# Allegro board MCU.brd (continued)
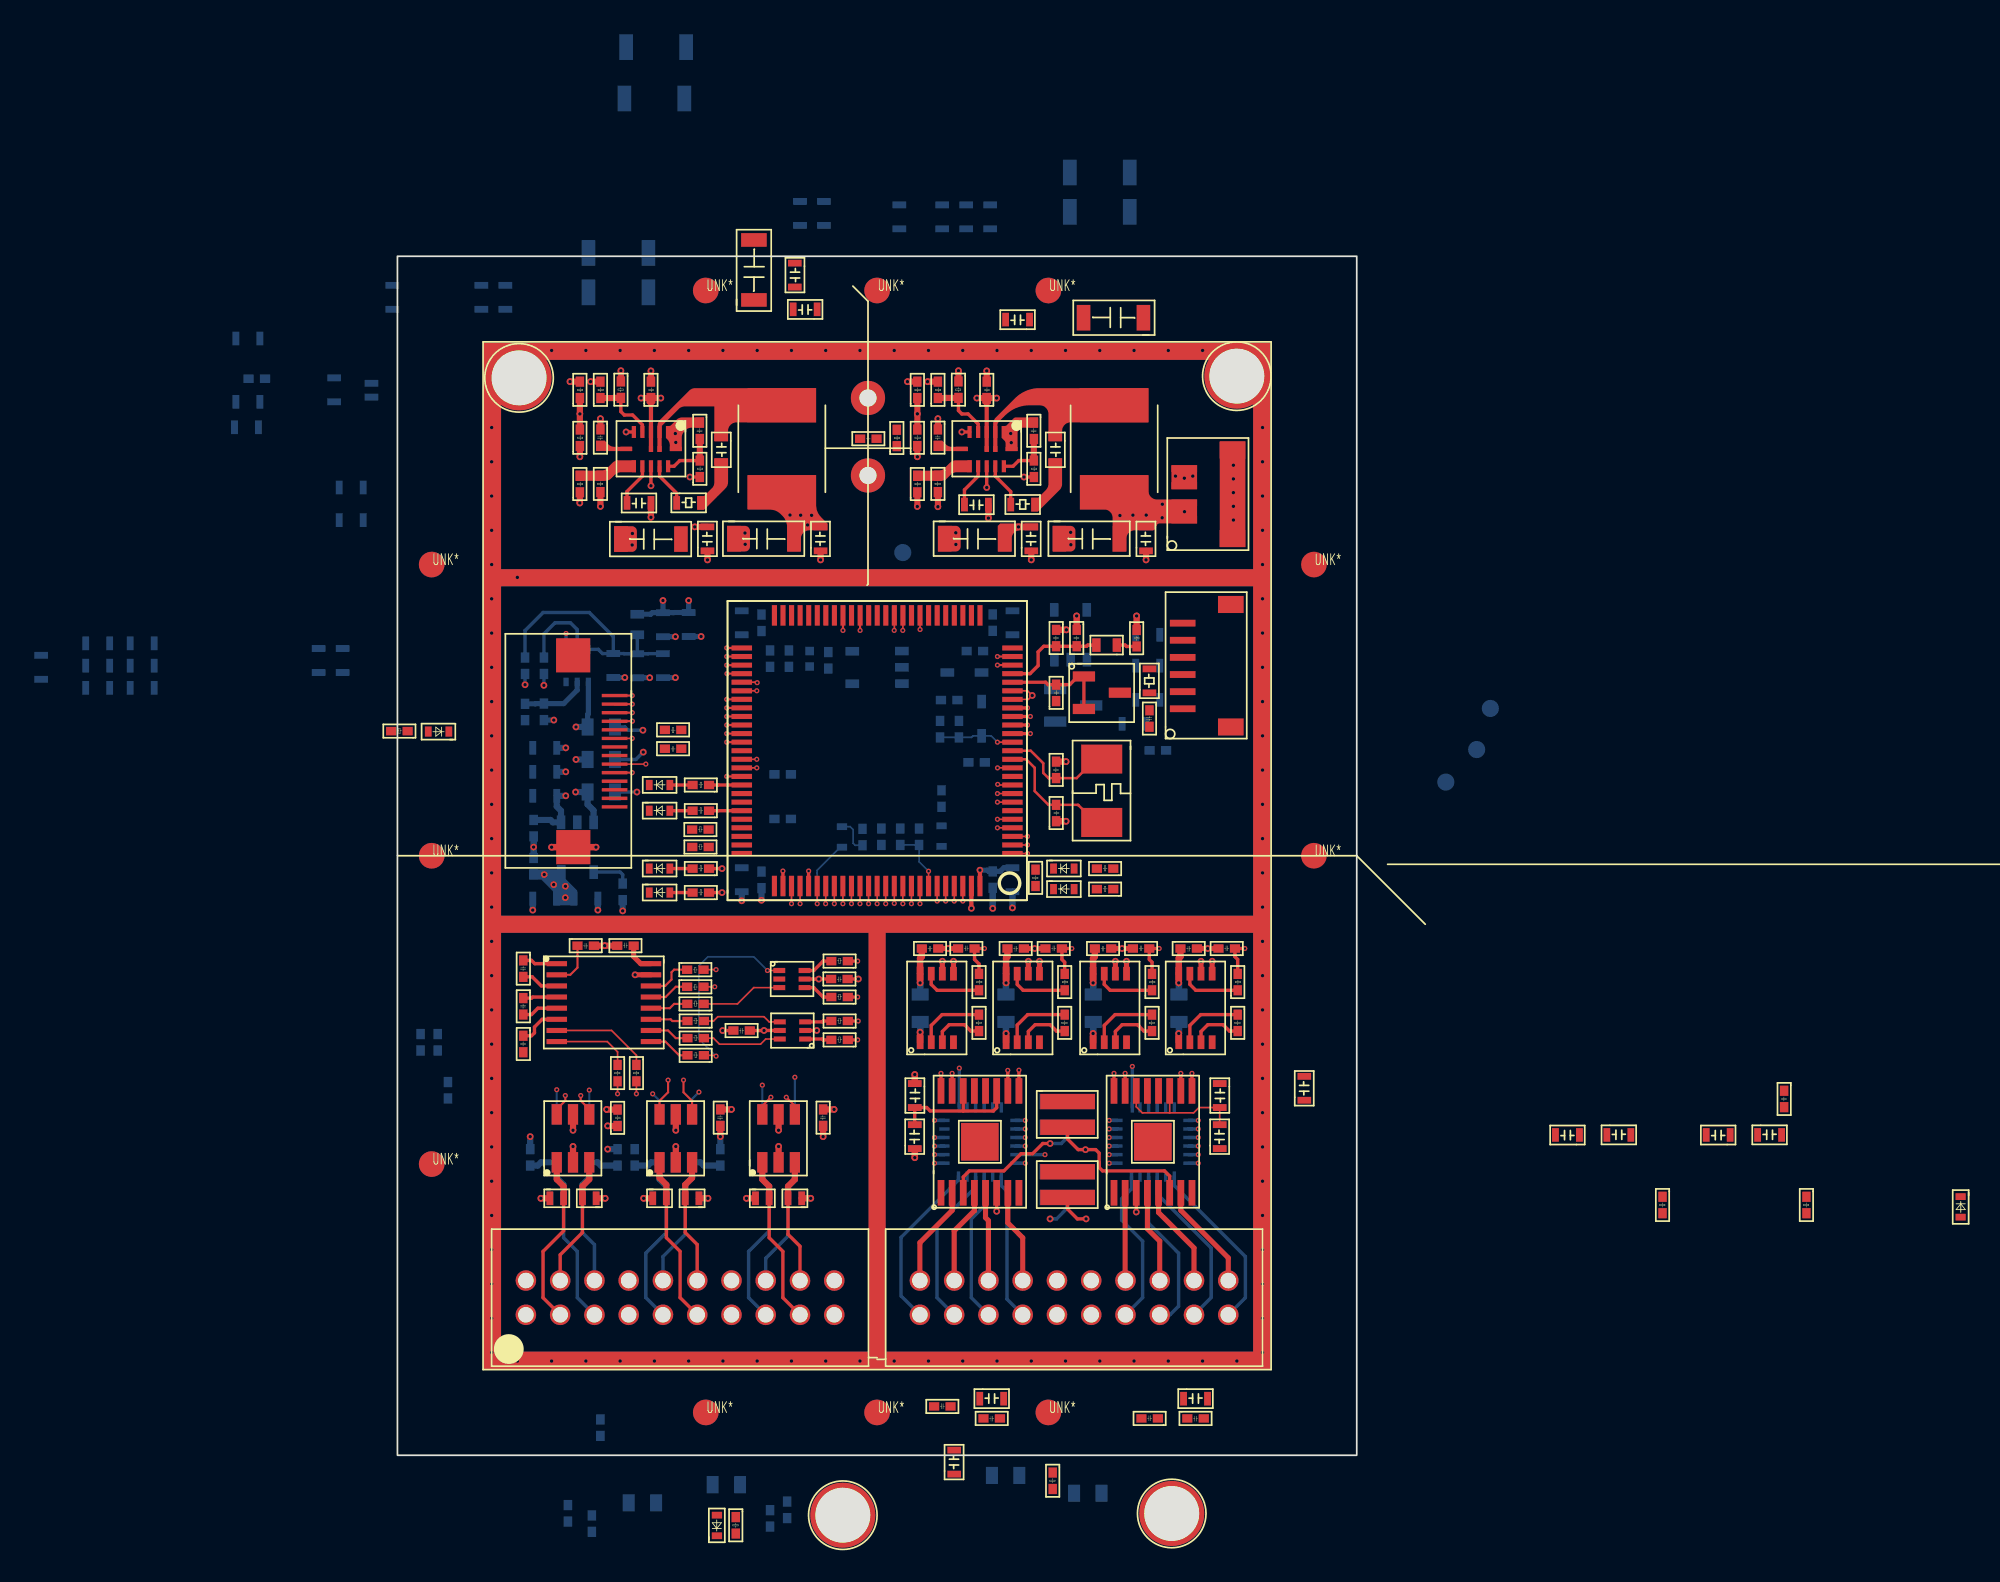
[diagram p0: board, top side]
## Routing (per net, layer and track width the routed paths; a pad name or vN(x,y) marks a point on that pad's centre or on a via; arc(x,y) is an arc through that point) (continued)
OSCIN: length 7.5
  TOP w0.15: Y3.2 40.76,36.94 39.77,37.94 39.76,37.94 39.73,37.97 C527.2 38,37.97 37.2,38.78 37.2,40.13 36.7,40.63 U19.12
OSCOUT: length 6.7
  TOP w0.15: U19.13 36.97,41.13 37.7,40.4 37.7,39.84 38,39.53 C513.2 39.65,39.53 40.76,40.64 Y3.1
RXD1: length 26.3
  TOP w0.1: v1(18.52,27.35) R372.2
  SIGNAL-L3 w0.1: J22.4 12.5,9.2 12.5,11.2 13.9,12.6 17.5,12.6 19.2,14.3 19.2,17 20.1,17.9 20.1,26.11
  SIGNAL-L3 w0.127: v1(18.52,27.35) 18.86,27.35 20.1,26.11
RXD2: length 15.7
  TOP w0.1: R369.2 v1(12.85,21.1)
  SIGNAL-L3 w0.127: v1(12.85,21.1) 13.2,20.75 13.2,15.1 12.1,14 9.4,14 7.5,12.1 J22.20
SMTR1_ADEC: length 22.4
  TOP w0.1: v1(27,32.2) 27,32.2 U19.86
  SIGNAL-L3 w0.1: v1(36.65,19.55) 36.97,19.55 37.16,19.73 37.16,22.24 36.2,23.19 30.16,23.19 27.86,25.5 27.86,29.61 27,30.47 27,31.87 27,31.87 v1(27,32.2)
  BOTTOM w0.2: U48.19 v1(36.65,19.55)
SMTR1_DEC0: length 24.2
  TOP w0.1: U19.89 v1(28.5,32.2)
  SIGNAL-L3 w0.1: v1(28.5,32.2) 28.5,31.69 29.47,30.73 29.47,27.18 31.31,25.34 36.42,25.34 38.9,22.86 38.9,19.97 36.97,18.05 v1(36.65,18.05)
  BOTTOM w0.2: U48.22 v1(36.65,18.05)
SMTR1_DEC1: length 25.9
  TOP w0.1: v1(30.5,32.2) U19.93
  SIGNAL-L3 w0.1: v1(36.65,17.05) 38.6,17.05 40.04,18.5 40.04,24.11 37.73,26.42 33.26,26.42 31.16,28.52 31.16,30.97 30.5,31.63 v1(30.5,32.2)
  BOTTOM w0.2: U48.24 v1(36.65,17.05)
SMTR1_DIR: length 17.1
  TOP w0.1: v1(26.5,32.2) U19.85
  SIGNAL-L3 w0.1: v1(26.5,32.2) 26.5,30.2 27.5,29.21 27.5,25.23 29.9,22.83 32.57,22.83 v1(32.8,22.6)
  BOTTOM w0.2: U48.13 v1(32.8,22.6)
SMTR1_I0: length 22.9
  TOP w0.1: v1(27.5,32.2) U19.87
  SIGNAL-L3 w0.1: v1(36.65,19.05) 36.97,19.05 37.46,19.54 37.46,22.43 36.32,23.57 30.3,23.57 28.54,25.33 28.54,29.77 27.5,30.81 v1(27.5,32.2)
  BOTTOM w0.2: U48.20 v1(36.65,19.05)
SMTR1_I1: length 23.4
  TOP w0.1: v1(28,32.2) 28,32.2 U19.88
  SIGNAL-L3 w0.1: v1(36.65,18.55) 36.97,18.55 38.48,20.06 38.48,22.43 36.66,24.25 35.74,24.25 35.7,24.21 35.36,24.21 35.32,24.25 31.83,24.25 29.03,27.06 29.03,30.35 28,31.37 28,31.87 28,31.87 v1(28,32.2)
  BOTTOM w0.2: U48.21 v1(36.65,18.55)
SMTR1_M0: length 20.8
  TOP w0.1: v1(25,32.2) 25,32.35 25,32.36 U19.82
  SIGNAL-L3 w0.1: v1(31.35,17.55) 30.68,16.88 29.69,16.88 29.22,17.35 29.22,18.2 25.45,21.97 25.45,29.19 25,29.65 v1(25,32.2)
  BOTTOM w0.2: U48.8 v1(31.35,17.55)
SMTR1_M1: length 18.9
  TOP w0.1: U19.83 v1(25.5,32.2)
  SIGNAL-L3 w0.1: v1(25.5,32.2) 25.5,29.81 25.83,29.49 25.83,22.35 30.12,18.05 v1(31.35,18.05)
  BOTTOM w0.2: U48.9 v1(31.35,18.05)
SMTR1_NFAULT: length 25.4
  TOP w0.1: v1(24.5,32.2) U19.81
  SIGNAL-L3 w0.1: v1(24.5,32.2) 24.5,29.38 25.07,28.8 25.07,21.64 28.85,17.87 28.85,17.14 29.49,16.5 30.8,16.5 v1(31.35,17.05)
  BOTTOM w0.1: D43.1 25.85,35.5 24.5,34.15 24.5,34 24.5,34 v1(24.5,32.2)
  BOTTOM w0.2: U48.7 v1(31.35,17.05)
SMTR1_NSLEEP: length 24.4
  TOP w0.1: v1(30,32.2) U19.92
  SIGNAL-L3 w0.1: v1(37.8,17.55) 38.4,17.55 39.35,18.5 39.35,23.22 36.69,25.89 33.13,25.89 30.74,28.27 30.74,30.62 30,31.36 v1(30,32.2)
  BOTTOM w0.2: U48.23 v1(37.8,17.55)
SMTR1_PWM: length 0.6
  BOTTOM w0.2: U48.12 v1(31.35,19.55)
SMTR1_TOFF_SEL: length 18.1
  TOP w0.1: v1(26,32.2) U19.84
  SIGNAL-L3 w0.1: v1(26,32.2) 26,29.94 26.24,29.7 26.24,22.62 30.3,18.55 v1(31.35,18.55)
  BOTTOM w0.2: U48.10 v1(31.35,18.55)
SMTR2_ADEC: length 30.8
  TOP w0.1: U19.7 v1(35.02,38.13)
  SIGNAL-L7 w0.1: v1(46.75,19.55) 47.19,19.99 47.19,22.32 45.85,23.66 43.59,23.66 40.99,26.25 39.88,26.25 38.46,27.67 38.46,29.88 37.73,30.61 35.88,30.61 35.34,31.14 35.34,32.45 34.83,32.96 34.04,32.96 33.1,33.91 33.1,36.85 34.38,38.13 v1(35.02,38.13)
  BOTTOM w0.2: U28.19 v1(46.75,19.55)
SMTR2_DEC0: length 27.7
  TOP w0.1: U19.1 v1(36.78,35.13)
  SIGNAL-L7 w0.1: v1(46.75,18.05) 47.64,18.05 48.66,19.07 48.66,26.13 46.11,28.68 46.11,30.87 43.32,33.66 38.61,33.66 37.14,35.13 v1(36.78,35.13)
  BOTTOM w0.2: U28.22 v1(46.75,18.05)
SMTR2_DEC1: length 33.1
  TOP w0.1: U19.3 v1(36.78,36.13)
  SIGNAL-L7 w0.1: v1(46.75,17.05) 48.47,17.05 49.84,18.42 49.84,27.25 48.96,28.13 48.96,32.26 46.53,34.69 38.94,34.69 37.51,36.13 v1(36.78,36.13)
  BOTTOM w0.2: U28.24 v1(46.75,17.05)
SMTR2_DIR: length 26.1
  TOP w0.1: v1(35.02,38.63) U19.8
  SIGNAL-L7 w0.1: v1(42.9,22.7) 41.99,23.61 40.42,23.61 36.12,27.91 36.12,28.94 34.17,30.89 34.17,32.09 32.43,33.84 32.43,37.06 34,38.63 v1(35.02,38.63)
  BOTTOM w0.2: U28.13 v1(42.9,22.7)
SMTR2_I0: length 30.5
  TOP w0.1: U19.5 v1(35.02,37.13)
  SIGNAL-L7 w0.1: v1(35.02,37.13) 34.7,37.13 34.06,36.49 34.06,35.11 36.85,32.31 42.17,32.31 43.46,31.03 43.46,25.39 44.58,24.27 45.33,24.27 45.44,24.16 45.78,24.16 45.89,24.27 46.18,24.27 47.62,22.83 47.62,19.56 47.11,19.05 v1(46.75,19.05)
  BOTTOM w0.2: U28.20 v1(46.75,19.05)
SMTR2_I1: length 29.7
  TOP w0.1: U19.4 v1(35.02,36.63)
  SIGNAL-L7 w0.1: v1(46.75,18.55) 47.4,18.55 48.12,19.28 48.12,25.83 45.2,28.75 45.2,30.84 42.88,33.17 36.86,33.17 34.71,35.32 34.71,36.31 v1(35.02,36.63)
  BOTTOM w0.2: U28.21 v1(46.75,18.55)
SMTR2_M0: length 24.6
  TOP w0.1: U19.96 v1(32,32.35)
  SIGNAL-L7 w0.1: v1(41.55,17.55) 41.17,17.55 40.69,17.07 39.78,17.07 39.28,17.58 39.28,21.91 37.31,23.88 34.22,23.88 32.41,25.69 32.41,27.26 30.9,28.77 30.9,30.76 32,31.86 v1(32,32.35)
  BOTTOM w0.2: U28.8 v1(41.55,17.55)
SMTR2_M1: length 20.7
  TOP w0.1: U19.97 v1(32.5,32.35)
  SIGNAL-L7 w0.1: v1(41.55,18.05) 40.86,18.05 40.03,18.88 40.03,22.14 36.09,26.09 34.65,26.09 33.17,27.57 33.17,30.17 32.5,30.83 v1(32.5,32.35)
  BOTTOM w0.2: U28.9 v1(41.55,18.05)
SMTR2_NFAULT: length 25.5
  TOP w0.1: v1(31.5,32.35) U19.95
  SIGNAL-L7 w0.1: v1(41.55,17.05) 41.15,16.65 39.37,16.65 38.82,17.2 38.82,21.41 36.88,23.35 33.65,23.35 31.72,25.27 31.72,27.23 30.38,28.56 30.38,30.9 31.5,32.02 v1(31.5,32.35)
  BOTTOM w0.2: U28.7 v1(41.55,17.05)
SMTR2_NSLEEP: length 30.2
  TOP w0.1: U19.2 v1(36.78,35.63)
  SIGNAL-L7 w0.1: v1(46.75,17.55) 48.01,17.55 49.24,18.79 49.24,27.02 48.32,27.95 48.32,30.51 44.73,34.1 38.89,34.1 37.36,35.63 v1(36.78,35.63)
  BOTTOM w0.2: U28.23 v1(46.75,17.55)
SMTR2_PWM: length 0.5
  BOTTOM w0.2: U28.12 v1(41.55,19.55)
SMTR2_TOFF_SEL: length 19.8
  TOP w0.1: U19.98 v1(33,32.35)
  SIGNAL-L7 w0.1: v1(41.55,18.55) 41.16,18.55 40.58,19.12 40.58,22.46 36.35,26.7 34.92,26.7 33.68,27.93 33.68,30.41 33,31.09 v1(33,32.35)
  BOTTOM w0.2: U28.10 v1(41.55,18.55)
STEP1A_DRV1: length 8.6
  BOTTOM w0.2: U48.1 35.25,15.74 35.58,15.41 35.58,9.12 J23.4
STEP1A_DRV2: length 8.8
  BOTTOM w0.2: U48.3 34.25,14.55 33.5,13.8 33.5,9.2 J23.3
STEP1B_DRV1: length 9.9
  BOTTOM w0.2: U48.6 32.75,16.07 29.4,12.72 29.4,9.3 J23.1
STEP1B_DRV2: length 9.4
  BOTTOM w0.2: U48.4 33.75,15.65 31.5,13.4 31.5,9.2 J23.2
STEP2A_DRV1: length 10.2
  BOTTOM w0.2: U28.1 45.35,15.75 49.5,11.6 49.5,9.2 J23.10
STEP2A_DRV2: length 9.8
  BOTTOM w0.2: J23.9 47.5,9.2 47.5,12.1 44.35,15.25 U28.3
STEP2B_DRV1: length 9.2
  BOTTOM w0.2: J23.7 43.5,9.2 43.5,12.5 42.27,13.73 42.27,14.97 42.85,15.55 U28.6
STEP2B_DRV2: length 9.6
  BOTTOM w0.2: J23.8 45.1,8.2 45.6,8.7 45.6,11.8 43.85,13.55 U28.4
TXD1: length 24.3
  TOP w0.1: R371.2 v1(18.6,28.35)
  SIGNAL-L3 w0.127: v1(18.6,28.35) 18.94,28.35 20.5,26.79 20.5,17.5 19.96,16.96 19.96,13.96 17.9,11.9 15.2,11.9 J22.17
TXD2: length 18.1
  TOP w0.1: R368.2 v1(13.95,21.1)
  SIGNAL-L3 w0.127: v1(13.95,21.1) 13.7,20.85 13.7,14.4 12.6,13.3 9.6,13.3 8.5,12.2 8.5,9.2 J22.1
VREF_2V5: length 6.3
  TOP w0.2: U19.21 37.84,45.13 37.98,44.99 C487.2 39.24,44.99 39.72,45.47 U39.1 U39.2
N01539: length 8.1
  TOP w0.2: 33.03,20.1 31.1,20.1 30.9,20.3 C166.2 C167.2 ; 33.03,20.1 34.79,20.1 34.98,20.29 U26.11 ; 33.03,20.1 U26.14
N02684: length 8.5
  TOP w0.2: v2(38.1,18.2) 37.67,18.2 37.07,17.6 36.4,17.6 35.4,16.6 33.38,16.6 33.03,16.25 U26.3
  BOTTOM w0.2: R170.2 39.08,18.52 38.76,18.2 v2(38.1,18.2)
N02906: length 6.3
  TOP w0.2: U26.6 v2(34.98,14.24)
  SIGNAL-L3 w0.2: v2(38.1,13.8) 35.42,13.8 v2(34.98,14.24)
  BOTTOM w0.2: v2(38.1,13.8) 38.48,13.8 39.08,14.4 R171.2
N07800: length 4
  TOP w0.2: R360.1 31.79,25.72 31.16,25.09 U45.2
N07815: length 3.1
  TOP w0.2: R360.2 33.47,24.76 33.1,25.13 32.2,25.13 31.81,24.74 U45.3
N08892: length 4
  TOP w0.2: R361.1 36.79,25.72 36.18,25.11 U46.2
N08904: length 3.1
  TOP w0.2: U46.3 36.83,24.74 37.22,25.13 38.1,25.13 38.47,24.76 R361.2
N10404: length 3.5
  TOP w0.2: R339.1 36.52,27.14 36.18,27.49 U46.7
N11136: length 3.6
  TOP w0.2: R342.1 31.5,27.14 31.16,27.49 U45.7
N27735: length 8.4
  TOP w0.1: U27.14 43.13,20.34 43.48,19.99 45.08,19.99 ; 45.08,19.99 U27.11 ; 45.08,19.99 46.48,19.99 46.79,20.3 C169.2 C170.2
N27979: length 6.2
  TOP w0.2: R172.2 39.12,14.37 39.69,13.8 v2(40.2,13.8) ; U27.3 v2(43.13,14.2)
  SIGNAL-L3 w0.2: v2(43.13,14.2) 42.73,13.8 v2(40.2,13.8)
N28117: length 9
  TOP w0.2: U27.6 45.08,16.3 44.78,16.6 41.16,16.6 40.97,16.79 40.97,17.1 40.96,17.11 40.96,17.64 40.76,17.84 v2(40.17,17.84) 39.74,17.84 39.12,18.46 R173.2
N28299: length 4
  TOP w0.2: U43.2 41.26,25.09 41.89,25.72 R358.1
N28303: length 3.1
  TOP w0.2: U43.3 41.91,24.74 42.3,25.13 43.2,25.13 43.57,24.76 R358.2
N28307: length 4
  TOP w0.2: U44.2 46.26,25.09 46.89,25.72 R359.1
N28311: length 3.1
  TOP w0.2: U44.3 46.91,24.74 47.3,25.13 48.2,25.13 48.57,24.76 R359.2
N28731: length 3.6
  TOP w0.2: U43.7 41.26,27.49 41.6,27.14 R340.1
N28759: length 3.6
  TOP w0.2: U44.7 46.26,27.49 46.6,27.14 R341.1
N39890: length 2.1
  BOTTOM w0.1: D43.2 26.43,36.7 26.6,36.53 26.6,35.73 26.72,35.61 R374.1
N42300: length 0.5
  BOTTOM w0.2: U28.11 v1(41.55,19.05)
N4905822: length 2.3
  BOTTOM w0.2: C157.2 13.15,33.9 13,34.05 U21.4
N7119824: length 2
  TOP w0.2: C596.1 7.83,28.89 8.02,28.7 U47.1
N7119928: length 2
  TOP w0.2: U47.4 7.89,26.75 7.83,26.69 C601.1
N7119940: length 2.7
  TOP w0.127: U47.2 10.09,28.05 10.51,28.47 C607.1
N7119964: length 2.2
  TOP w0.2: U47.3 8.4,27.4 7.87,27.93 C596.2
N7119992: length 2.5
  TOP w0.2: C611.1 7.83,24.49 8,24.66 8,25 8.45,25.45 U47.6
N7120000: length 2.1
  TOP w0.2: U47.5 8.2,26.1 7.83,25.73 C601.2
N7132397: length 2.8
  TOP w0.127: R371.1 16.15,28.35 16,28.2 16,27.77 15.63,27.4 U47.14
N7132401: length 5.8
  TOP w0.1: U47.7 12.5,24.8 13.95,23.35 R368.1
N7132405: length 2.4
  TOP w0.127: R372.1 16.25,27.35 15.65,26.75 U47.13
N7132409: length 4.6
  TOP w0.1: R369.1 12.85,23.55 12.25,24.15 U47.8
N7303093: length 2.2
  TOP w0.127: U47.11 15.95,25.45 16.05,25.35 R346.2
N7303131: length 2.3
  TOP w0.127: R348.2 16.25,24.35 15.8,24.8 U47.10
N7303158: length 2.2
  TOP w0.127: U47.12 15.9,26.1 16.15,26.35 R334.2
N7303185: length 2.5
  TOP w0.127: U47.9 15.64,24.15 16.44,23.35 R349.2
N7936310: length 1.3
  TOP w0.2: R144.2 D15.2
N7936621: length 1.3
  TOP w0.2: R140.2 D14.2
N7936920: length 1.3
  TOP w0.2: D17.2 R150.2
N7937230: length 1.3
  TOP w0.2: D16.2 R145.2
N8196940: length 4
  TOP w0.2: U11.4 14.3,60.16 13.73,60.73 13.24,60.73 13.04,60.93 R58.2
  TOP w0.36: R59.1 12.61,61.72 12.62,61.73 R58.2
N8196944: length 10.7
  TOP w0.2: U11.9 v2(14.8,56.6) ; R49.1 10.65,61.81 ; 10.65,59.87 R50.2
  TOP w0.36: R49.1 v2(10.65,60.8) R50.2
  SIGNAL-L3 w0.2: v2(10.65,60.8) 11.24,60.2 11.24,57.27 11.91,56.6 v2(14.8,56.6)
N8196950: length 3.2
  TOP w0.2: R57.2 16.48,58.07 16.15,57.74 U11.11
  TOP w0.36: R57.2 C84.2
N8196956: length 7.7
  TOP w0.2: R57.1 v2(17.07,57.11) ; v2(13.35,59.74) U11.5
  SIGNAL-L4 w0.2: v2(13.35,59.74) 12.74,59.14 12.74,58.06 13.69,57.11 v2(17.07,57.11)
N8197004: length 2.6
  TOP w0.2: R86.1 16.3,56.16 15.3,57.16 U11.10
N8197022: length 2.5
  TOP w0.2: C75.2 13.4,56.26 14.3,57.16 U11.8
N8197074: length 2.6
  TOP w0.2: R87.1 35.8,56.26 34.9,57.16 U12.10
N8197146: length 3.9
  TOP w0.2: U12.4 33.9,60.2 33.31,60.79 32.95,60.79 32.75,60.99 R61.2
  TOP w0.36: R61.2 32.04,61.73 32.03,61.72 R62.1
N8197148: length 10.7
  TOP w0.2: U12.9 v2(34.4,56.5)
  TOP w0.36: R52.2 v2(30.35,60.8) R51.1
  SIGNAL-L3 w0.2: v2(34.4,56.5) 31.63,56.5 30.96,57.17 30.96,60.19 v2(30.35,60.8)
N8197154: length 2.6
  TOP w0.2: C76.2 33.1,56.36 33.9,57.16 U12.8
N8197176: length 3.1
  TOP w0.2: R60.2 36.27,58.07 35.94,57.74 U12.11
  TOP w0.36: R60.2 C85.2
N8197194: length 7.5
  TOP w0.2: v2(32.95,59.74) U12.5 ; R60.1 v2(36.57,57.11)
  SIGNAL-L4 w0.2: v2(36.57,57.11) 33.13,57.11 32.6,57.64 32.6,59.39 v2(32.95,59.74)
N8449814: length 4.9
  BOTTOM w0.2: U38.5 10.49,48.21 10.1,48.6 9.2,48.6 8.55,47.95 R317.2
N8449940: length 3.9
  BOTTOM w0.3: U38.2 10.49,44.67 9.7,43.88 R315.1 8.07,43.88 8.06,43.87 R316.2
N9050029: length 1.6
  TOP w0.2: U41.3 24.8,25.3 24.85,25.35 R324.2
N9050033: length 4.7
  TOP w0.1: R346.1 18.45,25.35 18.7,25.6 21.4,25.6 21.7,25.3 U41.4
N9050041: length 1.6
  TOP w0.2: R332.2 24.85,24.25 24.8,24.3 U41.1
N9050045: length 4.7
  TOP w0.1: R348.1 18.45,24.35 18.8,24 21.2,24 21.5,24.3 U41.6
N9050708: length 1.8
  TOP w0.2: U42.4 24.3,27.3 24.85,26.75 R331.2
N9050712: length 4.8
  TOP w0.1: R334.1 19.85,26.35 20.8,27.3 U42.3
N9050720: length 1.8
  TOP w0.2: U42.6 24.3,28.3 24.85,28.85 R338.2
N9050724: length 11.7
  TOP w0.1: U42.1 v1(21.6,28.3) ; R349.1 18.55,23.35 v1(18.6,23.3)
  BOTTOM w0.1: v1(18.6,23.3) 17.6,24.3 17.6,28.58 18.12,29.1 20.8,29.1 v1(21.6,28.3)

## Copper pours and planes (outline as drawn; the poured copper is in the pictures)
3V3_MCU on BOTTOM (solid shape): 9.81,33.65 10.5,32.96 10.5,32.1 9.1,32.1 9.1,32.9 8.39,33.61 7.7,33.61 7.7,34.21 9.31,34.21 9.31,34.45 9.81,34.45
5V5_MCU_PWR on TOP (solid shape): 24.44,55.47 24.52,55.09 24.73,54.77 25.1,54.4 25.1,54 24.05,54 23.7,53.85 23.55,53.5 23.55,52.76 22.75,52.76 22.75,54.16 22.67,54.54 22.46,54.86 22.39,54.93 22.07,55.14 21.69,55.22 20.44,55.22 20.44,57.22 24.44,57.22
12V_MTR on TOP (solid shape): 37.4,54 36.35,54 36,53.85 35.85,53.5 35.85,52.76 35.05,52.76 35.05,54.26 35.19,54.4 37.4,54.4
12V_MTR on TOP (solid shape): 43.84,56.3 43.99,55.95 44.34,55.8 46.68,55.8 46.68,54.4 44.5,54.4 44.36,54.34 44.24,54.06 44.1,54 43.05,54 42.7,53.85 42.55,53.5 42.55,52.76 41.75,52.76 41.75,54.72 41.6,55.07 41.25,55.22 39.84,55.22 39.84,57.22 43.84,57.22
GND on TOP (solid shape): 46.68,56.4 45.18,56.4 45.18,57.8 46.68,57.8
GND on TOP (solid shape): 49.5,53.02 48,53.02 48,59.19 49.5,59.19
GND on TOP (solid shape): 50.95,5.05 5.05,5.05 5.05,6.05 49.95,6.05 49.95,30.5 28.5,30.5 28.5,6.05 27.5,6.05 27.5,30.5 6.05,30.5 6.05,6.05 5.05,6.05 5.05,31.5 49.95,31.5 49.95,50.73 6.05,50.73 6.05,31.5 5.05,31.5 5.05,51.73 49.95,51.73 49.95,63.95 6.05,63.95 6.05,51.73 5.05,51.73 5.05,64.95 49.95,64.95 49.95,64.95 50.95,64.95
GND on TOP (solid shape): 37.4,59.99 36.5,59.99 36.42,59.97 36.36,59.93 36.26,59.83 36.22,59.77 36.2,59.69 36.2,58.62 35.5,58.62 35.5,59.08 35.48,59.16 35.44,59.22 35.27,59.39 35.27,60.09 35.44,60.09 35.52,60.11 35.58,60.15 35.97,60.53 36.03,60.57 36.11,60.59 37.4,60.59
GND on TOP (solid shape): 17.9,59.99 17.17,59.99 16.98,59.95 16.82,59.84 16.75,59.77 16.64,59.61 16.6,59.42 16.6,58.62 15.9,58.62 15.9,58.96 15.86,59.15 15.75,59.31 15.68,59.39 15.68,60.09 15.84,60.09 15.92,60.11 15.98,60.15 16.28,60.44 16.44,60.55 16.63,60.59 17.9,60.59
GND on BOTTOM (solid shape): 50.95,5.05 5.05,5.05 5.05,6.05 49.95,6.05 49.95,30.5 28.5,30.5 28.5,6.05 27.5,6.05 27.5,30.5 6.05,30.5 6.05,6.05 5.05,6.05 5.05,31.5 49.95,31.5 49.95,50.73 6.05,50.73 6.05,31.5 5.05,31.5 5.05,51.73 49.95,51.73 49.95,63.95 6.05,63.95 6.05,51.73 5.05,51.73 5.05,64.95 49.95,64.95 49.95,64.95 50.95,64.95
VBAT_IN on TOP (solid shape): 15.05,61.42 14.93,61.3 14.93,58.58 14.68,58.58 14.68,61.29 14.55,61.42 14.55,62.02 15.05,62.02
VBAT_IN on TOP (solid shape): 34.65,61.42 34.58,61.35 34.54,61.29 34.52,61.21 34.52,58.58 34.27,58.58 34.27,61.21 34.26,61.29 34.22,61.35 34.15,61.42 34.15,62.02 34.65,62.02
N8196998 on TOP (solid shape): 12.31,59.02 12.47,58.91 12.66,58.88 13.7,58.88 13.7,58.62 11.6,58.62 11.6,59.23 12.1,59.23
N8197008 on TOP (solid shape): 24.44,60.3 19.8,60.3 19.45,60.15 19.3,59.8 19.3,59.2 18.5,59.2 18.5,61.23 16.77,61.23 16.58,61.19 16.42,61.08 15.43,60.1 15.43,60.08 15.43,58.58 15.18,58.58 15.18,60.09 15.21,60.28 15.32,60.44 17.03,62.15 17.19,62.26 17.39,62.3 24.44,62.3
N8197018 on TOP (solid shape): 19.3,56.81 19.26,56.62 19.15,56.45 17.9,55.2 17.5,55.2 17.5,56 17.9,56 18.35,56.45 18.46,56.62 18.5,56.81 18.5,58.2 19.3,58.2
N8197032 on TOP (solid shape): 13.93,57.39 13.05,57.39 12.86,57.35 12.69,57.24 12.49,57.04 12.32,56.93 12.13,56.89 10.4,56.89 10.4,57.48 11.89,57.48 12.08,57.52 12.24,57.63 12.55,57.94 12.72,58.05 12.91,58.09 13.93,58.09
N8197078 on TOP (solid shape): 38.8,56.71 38.76,56.52 38.65,56.35 37.4,55.1 37,55.1 37,55.9 37.4,55.9 37.85,56.35 37.96,56.52 38,56.71 38,58.2 38.8,58.2
N8197098 on TOP (solid shape): 43.84,60.3 39.3,60.3 38.95,60.15 38.8,59.8 38.8,59.2 38,59.2 38,60.8 37.85,61.15 37.5,61.3 36.9,61.3 36.13,61.14 35.48,60.71 35.1,60.33 35.04,60.25 35.02,60.15 35.02,58.58 34.77,58.58 34.77,60.22 34.81,60.41 34.92,60.58 36.06,61.71 36.71,62.15 37.47,62.3 43.84,62.3
N8197166 on TOP (solid shape): 33.52,57.39 32.65,57.39 32.46,57.35 32.29,57.24 32.09,57.04 31.92,56.93 31.73,56.89 30.1,56.89 30.1,57.48 31.58,57.48 31.77,57.52 31.94,57.63 32.25,57.94 32.42,58.05 32.61,58.09 33.52,58.09
N8197182 on TOP (solid shape): 32.01,59.02 32.17,58.91 32.36,58.88 33.3,58.88 33.3,58.62 31.3,58.62 31.3,59.23 31.8,59.23
GND on TOP (solid shape): 13.68,54.24 13.89,54.15 13.98,53.94 13.98,53.04 13.89,52.83 13.68,52.74 12.65,52.74 12.65,54.24
GND on TOP (solid shape): 20.28,54.26 20.49,54.17 20.58,53.96 20.58,53.06 20.49,52.85 20.28,52.76 19.25,52.76 19.25,54.26
GND on TOP (solid shape): 32.58,54.26 32.79,54.17 32.88,53.96 32.88,53.06 32.79,52.85 32.58,52.76 31.55,52.76 31.55,54.26
GND on TOP (solid shape): 39.28,54.26 39.49,54.17 39.58,53.96 39.58,53.06 39.49,52.85 39.28,52.76 38.25,52.76 38.25,54.26

## Text on the board
Ref Des/Silkscreen Bottom: LDVX12021OCT25A
User.Comments: ANY QUESTIONS PLEASE CALL 13522296239 YANTAI ELECTRICIAN. | V-CUTx4 FOR BREAK
